# Altium PCB lxdsix.PcbDoc
Units mil, origin at the board's own origin, x right, y up, seen from the top; angles counter-clockwise.
Board outline 2047.24 x 2165.35 mil, 2 copper layers (Top Layer, Bottom Layer); 11 components, 16 nets, 61 pads, 2 vias.
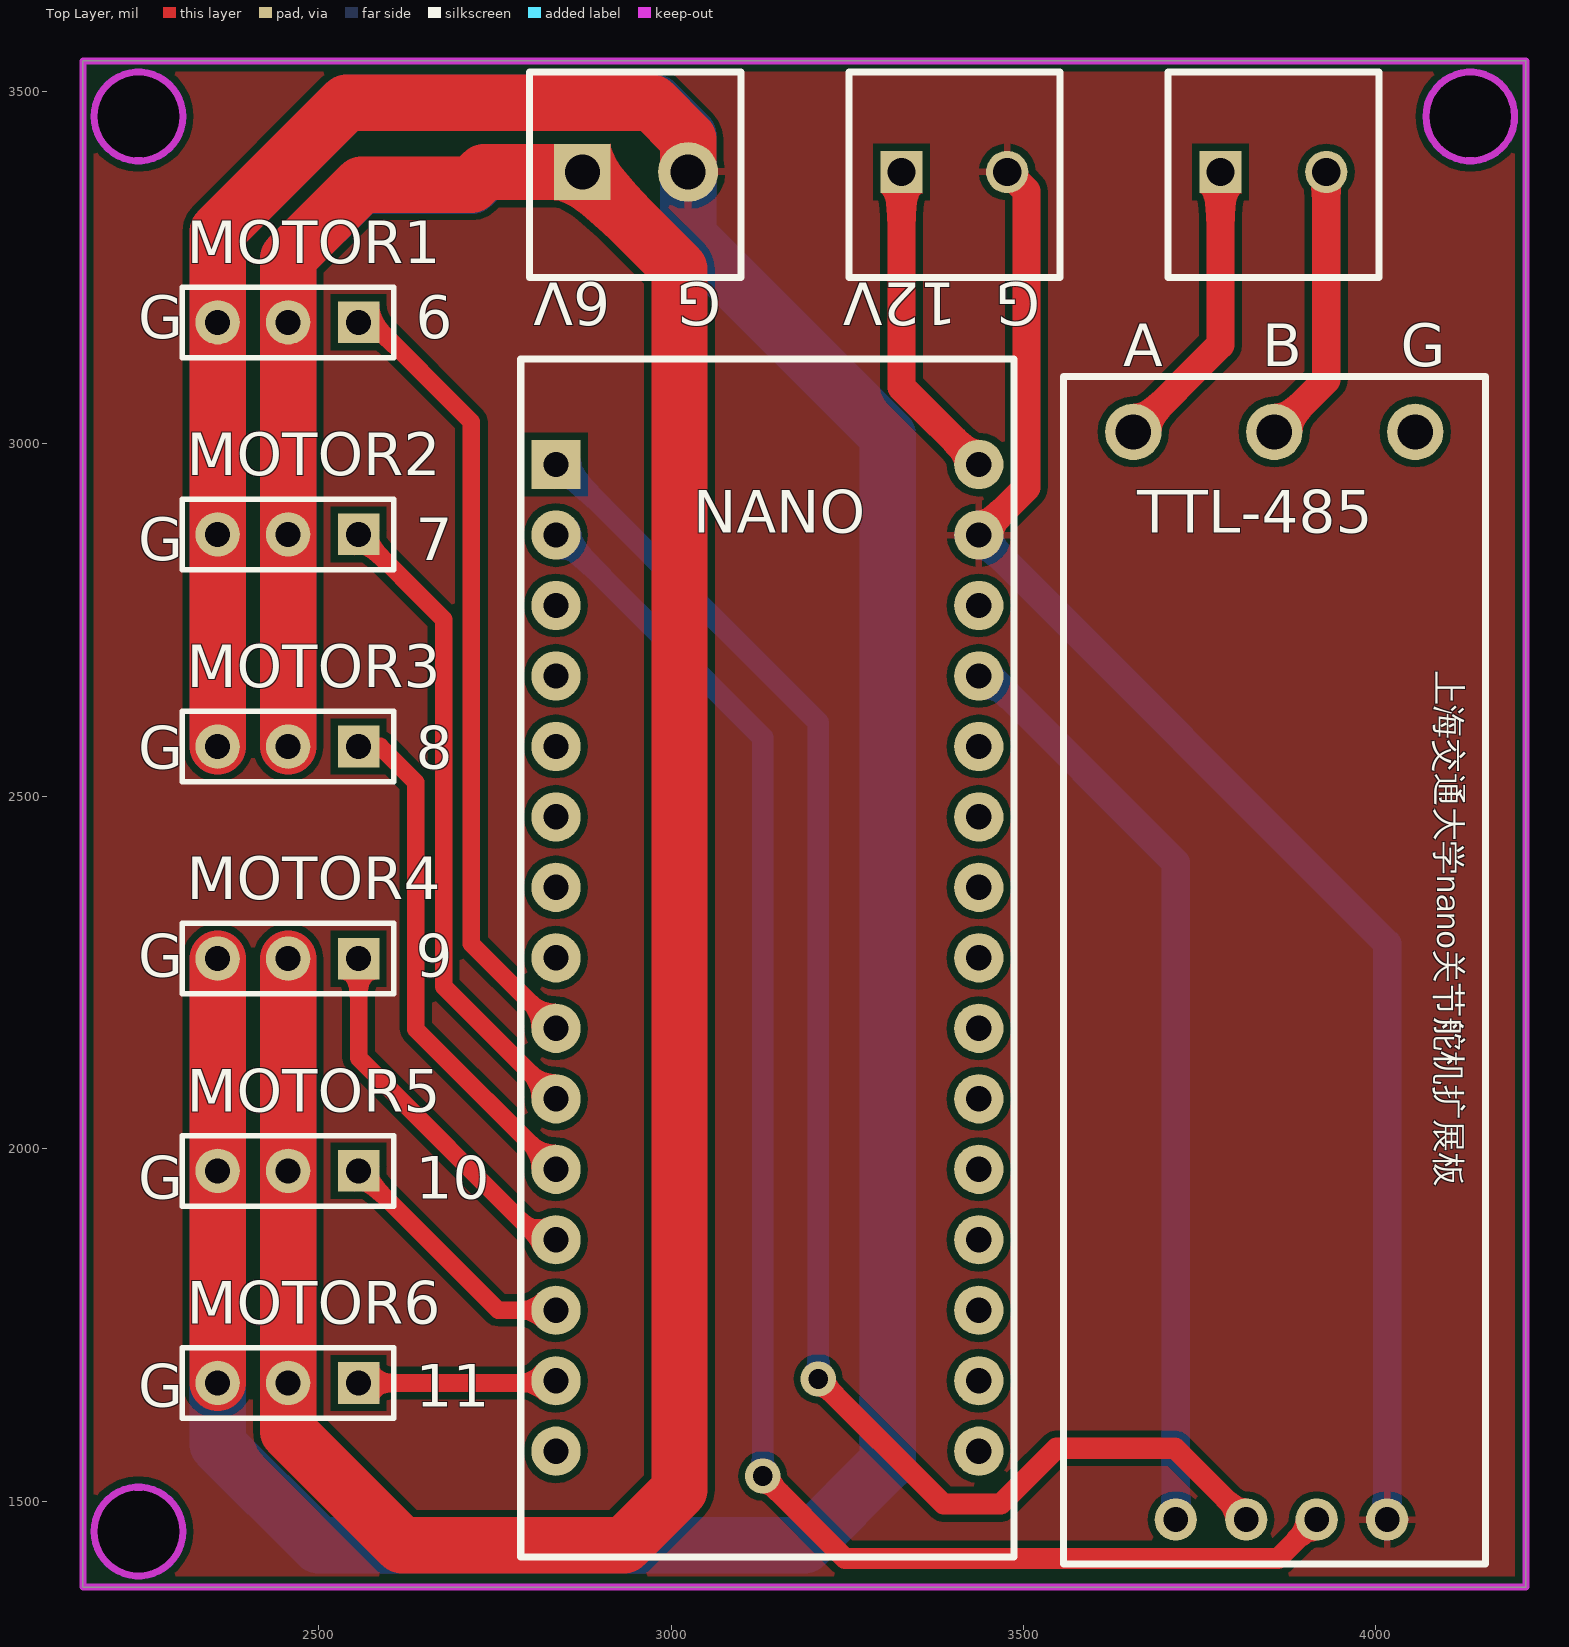
[diagram p0: Top Layer view]
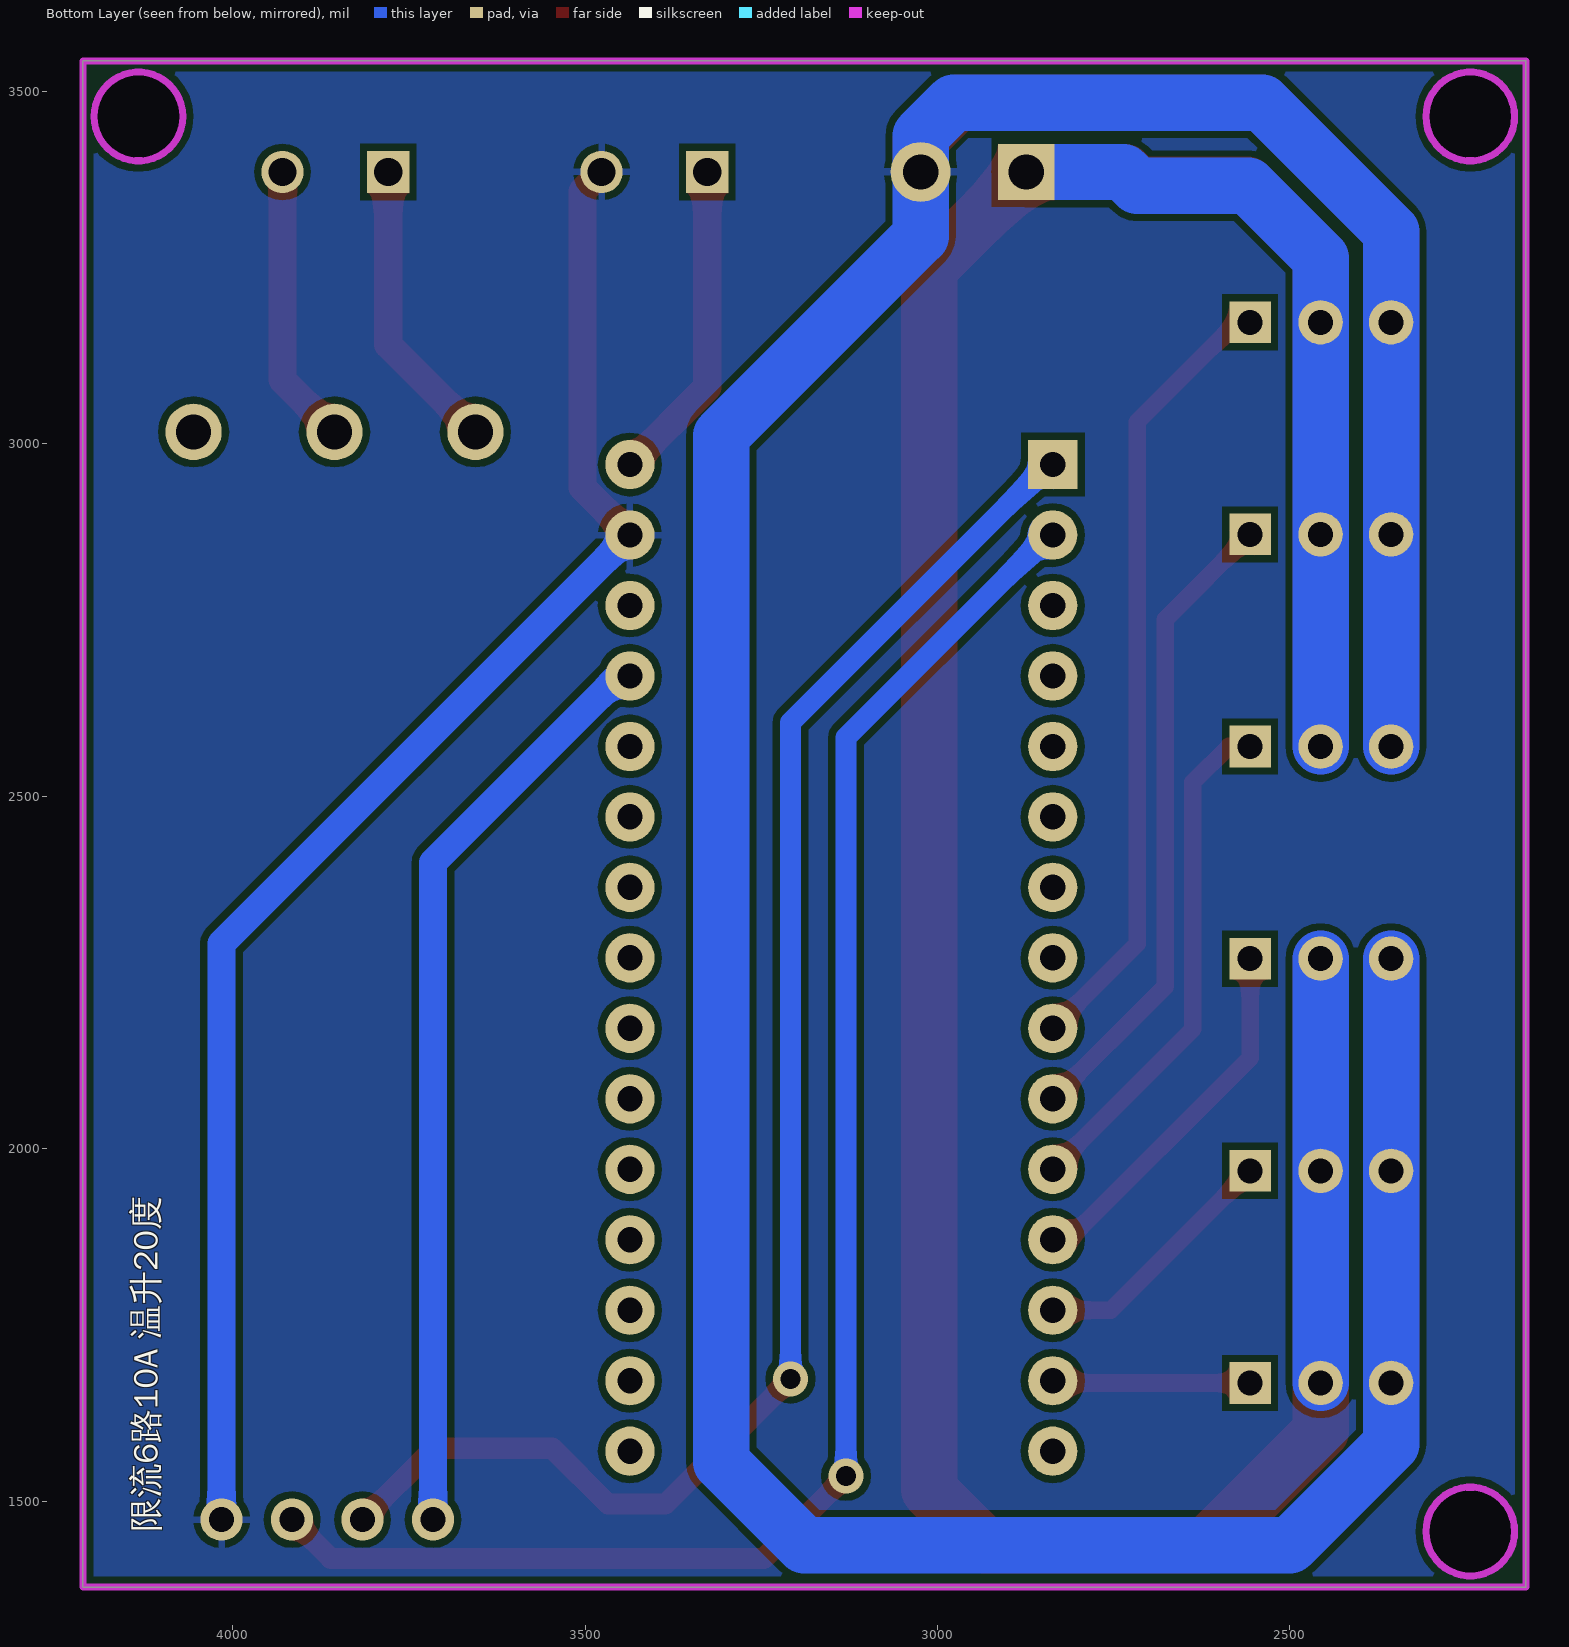
[diagram p1: Bottom Layer view, seen from below]

## Layer stack, top to bottom
Top Solder: solder mask 0.4, Solder Resist, Dk 3.5
Top Layer: signal copper 1.4
Dielectric 1: dielectric 12.6, FR-4, Dk 4.8
Bottom Layer: signal copper 1.4
Bottom Solder: solder mask 0.4, Solder Resist, Dk 3.5

## Board outline
2165.35,1377.95 2165.35,3543.31 4212.6,3543.31 4212.6,1377.95
cut-out: 4070.87,3464.57 ccw(c4133.86,3464.57) 4133.86,3401.57 ccw(c4133.86,3464.57) 4196.85,3464.57 ccw(c4133.86,3464.57) 4133.86,3527.56 ccw(c4133.86,3464.57)
cut-out: 2181.1,1456.69 ccw(c2244.09,1456.69) 2244.09,1393.7 ccw(c2244.09,1456.69) 2307.09,1456.69 ccw(c2244.09,1456.69) 2244.09,1519.68 ccw(c2244.09,1456.69)
cut-out: 2244.09,3401.57 cw(c2244.09,3464.57) 2181.1,3464.57 cw(c2244.09,3464.57) 2244.09,3527.56 cw(c2244.09,3464.57) 2307.09,3464.57 cw(c2244.09,3464.57)

## Design rules (kind name [scope] priority, off if disabled: settings)
Clearance [All] p1: gap=10
PolygonConnect [All] p1: connectstyle=Relief reliefconductorwidth=10 reliefentries=4 polygonreliefangle="90 Angle" airgapwidth=10
RoutingVias [All] p1: holewidth=28 width=50 viastyle="Through Hole" minholewidth=28 minwidth=50 maxholewidth=28 maxwidth=50
SilkToSilkClearance [All] p1 off: silktosilkclearance=10
SilkToSolderMaskClearance [IsPad] p1 off: minsilkscreentomaskgap=10 clearancetoexposedcopper=TRUE
SolderMaskExpansion [All] p1: expansion=4
Width [All] p1: maxlimit=80 minlimit=10 preferedwidth=10
28 further rules are at their usual default settings.

## Classes and differential pairs
component class Sheet1: MOTOR1 MOTOR2 MOTOR3 MOTOR4 MOTOR5 MOTOR6

## Components (designator, comment, footprint, x,y, rotation, side; value= is the part's Value field where it differs from the comment)
6V "VCC" "HEADER 1X2a"#1 2874.02,3385.83 r0 top (schematic designator VCC6V)
12V "VCC" "HEADER 1X2a"#2 3326.77,3385.83 r0 top (schematic designator VCC12V)
MOTOR1 "" HDR1X3 2556.5,3172.52 r180 top
MOTOR2 "" HDR1X3 2556.5,2871.52 r180 top
MOTOR3 "" HDR1X3 2556.5,2570.52 r180 top
MOTOR4 "" HDR1X3 2556.5,2269.52 r180 top
MOTOR5 "" HDR1X3 2556.5,1968.52 r180 top
MOTOR6 "" HDR1X3 2556.5,1667.52 r180 top
U1 "Nano" NANO 2836.5,2970.67 r0 top
U2 "TTL-485" ttl-485 3556.5,1410.67 r90 top
VCC12V "VCC" "HEADER 1X2a"#2 3779.53,3385.83 r0 top

## Footprints (in the part's own frame and the unit in brackets; to place one, negate y for a bottom-side part, rotate by r counter-clockwise, add the part's x,y. Pads: shape width x height; smd on the part's side, far side on the other; paste and mask are expansions set on the pad)
HDR1X3 [mm] "Connector; Header; 3 Position"
  rect 1.5x1.5 hole 0.9: 1(0,0)
  round 1.6 hole 0.9: 2(2.54,0) 3(5.08,0)
  silkscreen extent -1.27,-1.27 6.35,1.27
"HEADER 1X2a"#1 [mil]
  rect 80x80 hole 50: 1(0,0)
  round 85 hole 50: 2(150,0)
  silkscreen extent -75,-150 225,142
"HEADER 1X2a"#2 [mil]
  rect 60x60 hole 40: 1(0,0)
  round 60 hole 40: 2(150,0)
  silkscreen extent -75,-150 225,142
NANO [mil]
  rect 70x70 hole 36: 1(0,0)
  round 70 hole 36: 2(0,-100) 3(0,-200) 4(0,-300) 5(0,-400) 6(0,-500) 7(0,-600) 8(0,-700) 9(0,-800) 10(0,-900) 11(0,-1000) 12(0,-1100) 13(0,-1200) 14(0,-1300) 15(0,-1400) 16(600,-1400) 17(600,-1300) 18(600,-1200) 19(600,-1100) 20(600,-1000) 21(600,-900) 22(600,-800) 23(600,-700) 24(600,-600) 25(600,-500) 26(600,-400) 27(600,-300) 28(600,-200) 29(600,-100)
  round 70 hole 36 mask+4: 30(600,0)
  silkscreen extent -50,-1550 650,150
ttl-485 [mil]
  round 80 hole 50: 1(1606.3,-99.21) 2(1606.3,-299.21) 3(1606.3,-499.21)
  round 60 hole 35: 4(62.99,-159.45) 5(62.99,-259.45) 6(62.99,-359.45) 7(62.99,-459.45)
  silkscreen extent 0,-599 1685,0

## Part data
6V 12V VCC12V: library part "Header 2", "Header, 2-Pin"
MOTOR1 MOTOR2 MOTOR3 MOTOR4 MOTOR5 MOTOR6: library part "Header 3", "Header, 3-Pin"

## Via types
v1: diameter 50, hole 28, Top Layer to Bottom Layer, 2 vias

## Nets (pads, with @x,y where several pads share a name; then routed paths per layer and width w, separated by ;. In a path a pad name is that pad's centre, name@x,y a point inside that pad or via, vN(x,y) a via of type N, cw(c..) or ccw(c..) an arc to the next point about the centre after c; other vN are vias at no path point)
5V: U1.27 U2.4 | length 1321.5
  Bottom Layer w30: U1.27 U1.27@3451.38,2670.67
  Bottom Layer w40: U1.27@3451.38,2670.67 3715.95,2406.1 U2.4
GND: 6V.2 12V.2 MOTOR1.3 MOTOR2.3 MOTOR3.3 MOTOR4.3 MOTOR5.3 MOTOR6.3 U1.29 U2.7 | length 9584.2
  Top Layer w10: 6V.2 6V.2@3031.5,3385.83
  Top Layer w40: U1.29 3503.94,2938.11 3503.94,3358.66 12V.2
  Top Layer w80: MOTOR6.3 MOTOR5.3 MOTOR4.3 ; MOTOR3.3 MOTOR2.3 MOTOR1.3 2356.5,3301.38 2539.37,3484.25 2972.44,3484.25 3024.02,3432.68 6V.2
  Bottom Layer w40: U1.29 4015.94,2291.22 U2.7
  Bottom Layer w80: MOTOR4.3 MOTOR5.3 MOTOR6.3 2356.5,1580.51 2500,1437.01 3188.98,1437.01 3307.09,1555.12 3307.09,3011.81 3024.02,3294.88 6V.2 3024.02,3437.4 2977.17,3484.25 2539.37,3484.25 2356.5,3301.38 MOTOR1.3 MOTOR2.3 MOTOR3.3
M6: MOTOR1.1 U1.9 | length 1129
  Top Layer w10: MOTOR1.1 MOTOR1.1@2575.51,3172.52
  Top Layer w25: MOTOR1.1@2575.51,3172.52 2716.54,3031.5 2716.54,2290.63 U1.9
M7: MOTOR2.1 U1.10 | length 916.8
  Top Layer w25: MOTOR2.1 2677.17,2750.85 2677.17,2230 U1.10
M8: MOTOR3.1 U1.11 | length 733.7
  Top Layer w10: MOTOR3.1 2586.96,2570.52
  Top Layer w25: 2586.96,2570.52 2637.8,2519.68 2637.8,2169.37 U1.11
M9: MOTOR4.1 U1.12 | length 527.8
  Top Layer w10: U1.12@2814.37,1870.67 U1.12
  Top Layer w25: MOTOR4.1 2556.5,2128.54 U1.12@2814.37,1870.67
M10: MOTOR5.1 U1.13 | length 362
  Top Layer w25: MOTOR5.1 2754.35,1770.67 U1.13
M11: MOTOR6.1 U1.14 | length 281.3
  Top Layer w10: U1.14@2833.35,1667.52 U1.14
  Top Layer w25: MOTOR6.1 U1.14@2833.35,1667.52
NetJUMP1_1: 
NetJUMP2_2: 12V.1 U1.30 | length 460.6
  Top Layer w40: 12V.1 3326.77,3080.39 U1.30
NetP1_1: U2.1 VCC12V.1 | length 420.1
  Top Layer w40: U2.1 3779.53,3140.79 VCC12V.1
NetP1_2: U2.2 VCC12V.2 | length 399.4
  Top Layer w40: U2.2 3929.53,3090.79 VCC12V.2
NetP1_3: U2.3
RX: U1.2 U2.6 | length 2317.5
  Top Layer w30: v1(3129.92,1535.43) 3246.69,1418.66 3860.94,1418.66 U2.6
  Bottom Layer w30: U1.2@2842.56,2870.67 3129.92,2583.31 v1(3129.92,1535.43)
  Bottom Layer w60: U1.2 U1.2@2842.56,2870.67
TX: U1.1 U2.5 | length 2210.7
  Top Layer w30: v1(3208.66,1673.23) 3386.22,1495.67 3467.56,1495.67 3546.7,1574.8 3714.8,1574.8 U2.5
  Bottom Layer w30: U1.1@2842.56,2970.67 3208.66,2604.57 v1(3208.66,1673.23)
  Bottom Layer w60: U1.1 U1.1@2842.56,2970.67
VIN: 6V.1 MOTOR1.2 MOTOR2.2 MOTOR3.2 MOTOR4.2 MOTOR5.2 MOTOR6.2 | length 6177.4
  Top Layer w80: MOTOR4.2 MOTOR5.2 MOTOR6.2 2456.5,1598.62 2618.11,1437.01 2933.07,1437.01 3011.81,1515.75 3011.81,3248.03 6V.1 2734.65,3385.83 2716.54,3367.72 2560.63,3367.72 2456.5,3263.58 MOTOR1.2 MOTOR2.2 MOTOR3.2
  Bottom Layer w80: MOTOR6.2 MOTOR5.2 MOTOR4.2 ; MOTOR3.2 MOTOR2.2 MOTOR1.2 2456.5,3263.58 2559.06,3366.14 2716.54,3366.14 2736.22,3385.83 6V.1
pads on no net: U1.3 U1.4 U1.5 U1.6 U1.7 U1.8 U1.15 U1.16 U1.17 U1.18 U1.19 U1.20 U1.21 U1.22 U1.23 U1.24 U1.25 U1.26 U1.28

## Polygon pours and split planes (outlines as drawn)
GND on Top Layer "Top Layer-POWER" (solid, pour order 4): 2165.35,3543.31 4212.6,3543.31 4212.6,1377.95 2165.35,1377.95
GND on Bottom Layer "Top Layer-POWER" (solid, pour order 8): 2165.35,3543.31 4212.6,3543.31 4212.6,1377.95 2165.35,1377.95

## Keep-outs
Keep-Out Layer:
  circle w10: c4133.86,3464.57 r62.99
  circle w10: c2244.09,1456.69 r62.99
  circle w10: c2244.09,3464.57 r62.99
  lines w10: 2165.35,1377.95 2165.35,3543.31 4212.6,3543.31 4212.6,1377.95 2165.35,1377.95

## Silkscreen, mask and mechanical layers (free items; w line width, h text height)
Top Overlay:
  text "G" at 3070.87,3228.35 h60 r180
  text "G" at 3523.62,3228.35 h60 r180
  text "G" at 2244.09,3149.61 h60
  text "6" at 2637.8,3149.61 h60
  text "A" at 3641.73,3110.24 h60
  text "B" at 3838.58,3110.24 h60
  text "G" at 4035.43,3110.24 h60
  text "NANO" at 3031.5,2874.02 h60
  text "TTL-485" at 3661.42,2874.02 h60
  text "G" at 2244.09,2834.65 h60
  text "7" at 2637.8,2834.65 h60
  text "上海交通大学nano关节舵机扩展板" at 4074.8,2677.17 h60 r270
  text "G" at 2244.09,2539.37 h60
  text "8" at 2637.8,2539.37 h60
  text "G" at 2244.09,2244.09 h60
  text "9" at 2637.8,2244.09 h60
  text "G" at 2244.09,1929.13 h60
  text "10" at 2637.8,1929.13 h60
  text "G" at 2244.09,1633.86 h60
  text "11" at 2637.8,1633.86 h60
Bottom Overlay:
  text "限流6路10A 温升20度" at 4094.49,1456.69 h60 r270